# KiCad board 8851_HW-U1-VCU118_REV2-0_071417.kicad_pcb (continued)
## Routing (per net, layer and track width the routed paths; a pad name or vN(x,y) marks a point on that pad's centre or on a via; arc(x,y) is an arc through that point) (continued)
  14_SIG4 w0.106: 77.94,112.95 78.07,112.82 v2(78.07,112.37)
  14_SIG4 w0.138: 92.9,61.84 91.12,61.84 90.26,60.97 85.5,60.97 84.66,61.81 81.21,61.81 80.67,62.36 80.67,64.92 79.74,65.85 71.67,65.85 70.47,67.05 70.47,69.53 69.9,70.1 67.22,70.1 66.65,70.67 66.65,88.27 65.28,89.65 65.28,95.72 64.72,96.27 64.72,100.38 64.12,100.97 64.12,104.54 64.46,104.87 67.9,104.87 69.73,106.7 70.44,106.7 70.62,106.52 70.62,103.94 70.92,103.64 71.51,103.64 71.85,103.99 71.85,106.4 72.05,106.6 73.49,106.6 73.99,107.1
RLD3_C3_72B_QK5_N: length 115.5
  TOP w0.142: v2(72.17,113.35) 72.66,113.85 ; v2(104.56,69.73) 105.06,69.24
  20_SIG7 w0.105: 76.75,122.85 76.75,121.76 76.69,121.71 76.69,119.91 76.43,119.65 74.51,119.65 74.35,119.49 74.35,115.51 74.1,115.26 74.1,115.11 74.25,114.96 74.25,114.81 74.1,114.67 73.95,114.67 73.8,114.82 73.65,114.82 73.38,114.54 72.99,114.54 72.88,114.44 72.88,114.09 72.78,113.99 72.57,113.99 72.46,114.09 72.46,114.44 72.36,114.54 72.01,114.54 71.78,114.32 71.78,113.36 71.89,113.26 72.07,113.26 v2(72.17,113.35) ; v2(104.56,69.73) 104.56,69.31 104.62,69.25 104.79,69.25 104.96,69.42 104.96,71 104.85,71.1 97.45,71.1 97.08,71.47 97.08,71.92 96.91,72.09 96.44,72.09 96.1,72.43 96.1,72.88 95.9,73.07 95.43,73.07 95.11,73.39 95.11,73.86 94.92,74.06 94.47,74.06 94.13,74.39 94.13,75.81 93.91,76.02 92.96,76.02 92.91,75.97 92.9,75.97
  20_SIG7 w0.138: 76.75,122.85 76.75,123.83 75.53,125.05 75.53,126.15 76.26,126.89 77.64,126.89 77.78,126.75 77.78,125.45 78.09,125.14 78.75,125.14 79.14,125.52 82.06,125.52 82.2,125.39 82.2,123.35 83.03,122.52 83.03,106.58 85.89,103.72 89.04,103.72 90.72,102.04 90.72,97.42 90.6,97.29 90.6,96.51 90.91,96.2 92.27,96.2 92.41,96.06 92.41,95.65 92.27,95.51 90.91,95.51 90.6,95.2 90.6,92.97 90.91,92.65 92.24,92.65 92.37,92.51 92.37,92.1 92.24,91.96 90.91,91.96 90.6,91.65 90.6,91.04 90.91,90.73 92.29,90.73 92.41,90.61 92.41,90.2 92.25,90.04 90.29,90.04 89.96,89.72 89.96,89.1 90.28,88.79 90.86,88.79 90.99,88.65 90.99,88.24 90.86,88.1 90.28,88.1 89.96,87.78 89.96,78.03 92.02,75.97 92.9,75.97
RLD3_C3_72B_QK5_P: length 115.6
  TOP w0.142: v2(104.56,68.74) 105.06,68.25 ; 71.68,112.86 v2(71.18,112.37)
  20_SIG7 w0.105: v2(104.56,68.74) 105.16,69.34 105.16,71.08 104.93,71.3 97.53,71.3 97.28,71.55 97.28,72 97,72.29 96.52,72.29 96.3,72.51 96.3,72.96 95.99,73.27 95.51,73.27 95.31,73.47 95.31,73.95 95,74.26 94.55,74.26 94.33,74.48 94.33,75.89 94,76.22 92.95,76.22 92.9,76.27 ; v2(71.18,112.37) 71.58,112.77 71.58,114.4 71.92,114.74 73.3,114.74 74.15,115.6 74.15,119.57 74.43,119.85 76.35,119.85 76.5,119.99 76.5,121.71 76.44,121.76 76.44,121.76 76.47,121.78 76.47,122.83 76.44,122.85
  20_SIG7 w0.138: 92.9,76.27 92.14,76.27 90.26,78.15 90.26,87.66 90.4,87.8 90.98,87.8 91.29,88.11 91.29,88.77 90.98,89.09 90.4,89.09 90.26,89.22 90.26,89.59 90.41,89.74 92.38,89.74 92.71,90.07 92.71,90.74 92.41,91.03 91.04,91.03 90.9,91.17 90.9,91.53 91.04,91.66 92.36,91.66 92.67,91.98 92.67,92.64 92.36,92.95 91.04,92.95 90.9,93.09 90.9,95.07 91.04,95.21 92.39,95.21 92.71,95.52 92.71,96.18 92.39,96.5 91.04,96.5 90.9,96.64 90.9,97.17 91.02,97.29 91.02,102.17 89.17,104.02 86.01,104.02 83.33,106.7 83.33,122.65 82.5,123.47 82.5,125.51 82.19,125.83 79.01,125.83 78.63,125.44 78.22,125.44 78.08,125.58 78.08,126.88 77.77,127.19 76.14,127.19 75.22,126.27 75.22,124.93 76.44,123.71 76.44,122.85
RLD3_C3_72B_QK6_N: length 111.3
  TOP w0.142: 76.6,115.81 v2(77.09,116.31) ; 99.15,67.27 v2(98.66,67.76)
  18_SIG6 w0.105: v2(98.66,67.76) 98.41,68.01 98.41,68.19 98.52,68.3 99.01,68.3 99.11,68.2 99.11,67.56 98.92,67.36 93.41,67.36 93.15,67.1 92.98,67.1 92.93,67.15 92.9,67.15 ; v2(77.09,116.31) 77.21,116.31 77.32,116.41 77.32,116.6 77.22,116.7 76.92,116.7 76.7,116.47 76.7,115.94 76.47,115.71 75.85,115.71 75.71,115.58 75.71,107.18 75.76,107.13 75.76,107.1
  18_SIG6 w0.138: 75.76,107.1 75.76,106.67 75.23,106.14 72.53,106.14 72.15,106.52 72.15,107.03 71.95,107.24 71.54,107.24 71.33,107.03 71.33,106.52 70.95,106.14 70.27,106.14 69.91,106.5 69.91,107.03 69.71,107.24 69.3,107.24 69.09,107.03 69.09,106.52 68.69,106.11 67.92,106.11 67.77,105.96 67.77,105.78 67.95,105.6 69.66,105.6 70.03,105.24 70.03,104.62 69.7,104.29 68.73,104.29 68.48,104.05 68.48,103.85 69.23,103.1 70.95,103.1 71.43,102.62 71.43,99.82 71.59,99.66 72.09,99.66 72.29,99.86 72.29,99.98 72.67,100.36 73.33,100.36 74.01,99.69 80.41,99.69 84.02,96.07 84.02,92.95 84.87,92.11 84.87,90.26 85.07,90.05 85.94,90.05 86.32,89.67 86.32,88.81 85.94,88.43 85.07,88.43 84.87,88.22 84.87,87.61 85.07,87.4 85.94,87.4 86.32,87.02 86.32,86.16 85.94,85.78 85.07,85.78 84.87,85.57 84.87,84.96 85.07,84.75 85.94,84.75 86.32,84.37 86.32,83.51 85.94,83.13 85.07,83.13 84.87,82.92 84.87,82.31 85.07,82.1 85.94,82.1 86.32,81.72 86.32,80.86 85.94,80.48 85.07,80.48 84.87,80.27 84.87,79.66 85.07,79.45 85.94,79.45 86.32,79.07 86.32,78.21 85.94,77.83 84.77,77.83 84.56,77.62 84.56,76.94 84.77,76.74 85.95,76.74 86.33,76.36 86.33,75.7 85.95,75.32 85.07,75.32 84.87,75.11 84.87,73.59 85.19,73.26 85.56,73.26 86.31,74.01 86.84,74.01 87.31,73.54 87.31,73 87.13,72.82 87.13,72.53 87.42,72.24 87.71,72.24 87.89,72.42 88.43,72.42 88.89,71.96 88.89,71.42 88.71,71.24 88.71,70.95 89,70.66 89.29,70.66 89.47,70.84 90.01,70.84 90.48,70.37 90.48,69.83 90.3,69.65 90.3,69.36 90.59,69.07 90.88,69.07 91.06,69.25 91.6,69.25 92.06,68.79 92.06,68.25 91.88,68.07 91.88,67.62 92.35,67.15 92.9,67.15
RLD3_C3_72B_QK6_P: length 112.2
  TOP w0.142: 100.13,67.27 v2(99.64,67.76) ; 77.58,116.8 v2(78.07,117.29)
  TOP w0.375: v2(119.33,81.54) U1.G26
  18_SIG6 w0.105: 92.9,66.85 92.93,66.85 92.98,66.9 93.23,66.9 93.49,67.16 99.01,67.16 99.31,67.47 99.31,67.6 99.47,67.76 v2(99.64,67.76) ; v2(78.07,117.29) 77.79,117.29 77.39,116.9 76.84,116.9 76.5,116.56 76.5,116.02 76.39,115.91 75.77,115.91 75.51,115.66 75.51,107.18 75.46,107.13 75.46,107.1 ; 68.79,107.2 68.79,107.16
  18_SIG6 w0.138: 68.79,107.2 69.16,107.57 69.84,107.57 70.21,107.2 70.21,106.62 70.4,106.44 70.83,106.44 71.03,106.64 71.03,107.2 71.4,107.57 72.08,107.57 72.45,107.2 72.45,106.64 72.66,106.44 75.1,106.44 75.46,106.8 75.46,107.1 ; 92.9,66.85 92.23,66.85 91.58,67.5 91.58,68.19 91.76,68.37 91.76,68.66 91.47,68.95 91.18,68.95 91,68.77 90.46,68.77 90,69.24 90,69.78 90.18,69.96 90.18,70.25 89.89,70.54 89.6,70.54 89.42,70.36 88.88,70.36 88.41,70.82 88.41,71.36 88.59,71.54 88.59,71.83 88.3,72.12 88.01,72.12 87.83,71.94 87.3,71.94 86.83,72.41 86.83,72.95 87.01,73.13 87.01,73.42 86.72,73.71 86.43,73.71 85.69,72.96 85.07,72.96 84.57,73.46 84.57,75.24 84.95,75.62 85.82,75.62 86.03,75.82 86.03,76.23 85.82,76.44 84.64,76.44 84.26,76.82 84.26,77.75 84.64,78.13 85.82,78.13 86.02,78.33 86.02,78.95 85.82,79.15 84.95,79.15 84.57,79.54 84.57,80.4 84.95,80.78 85.82,80.78 86.02,80.98 86.02,81.6 85.82,81.8 84.95,81.8 84.57,82.19 84.57,83.05 84.95,83.43 85.82,83.43 86.02,83.63 86.02,84.25 85.82,84.45 84.95,84.45 84.57,84.84 84.57,85.7 84.95,86.08 85.82,86.08 86.02,86.28 86.02,86.9 85.82,87.1 84.95,87.1 84.57,87.49 84.57,88.35 84.95,88.73 85.82,88.73 86.02,88.93 86.02,89.55 85.82,89.75 84.95,89.75 84.57,90.14 84.57,91.98 83.72,92.83 83.72,95.95 80.28,99.39 73.88,99.39 73.21,100.06 72.8,100.06 72.59,99.86 72.59,99.74 72.21,99.36 71.47,99.36 71.13,99.69 71.13,102.49 70.82,102.8 69.11,102.8 68.18,103.73 68.18,104.17 68.6,104.59 69.58,104.59 69.73,104.74 69.73,105.11 69.54,105.3 67.82,105.3 67.47,105.66 67.47,106.09 67.79,106.41 68.56,106.41 68.79,106.64 68.79,107.16
RLD3_C3_72B_QK7_N: length 110.7
  TOP w0.142: v2(95.71,69.73) 96.2,69.24 ; v2(72.17,116.31) 72.66,115.81
  TOP w0.375: U1.C28 v2(121.3,85.48)
  16_SIG5 w0.105: 74.2,115.86 73.78,115.86 73.68,115.75 73.68,115.54 73.78,115.43 74.2,115.43 ; 92.9,72.6 92.92,72.58 92.99,72.58 93.48,72.09 93.95,72.09 94.11,71.93 94.11,71.46 94.47,71.1 95.87,71.1 96.1,70.88 96.1,70.12 v2(95.71,69.73) ; v2(72.17,116.31) 71.69,116.31 71.57,116.43 71.57,116.61 71.65,116.7 73.59,116.7 73.61,116.68 73.88,116.68 74.31,116.25 74.31,115.96 ; 67.83,108.17 67.84,108.15
  16_SIG5 w0.106: 74.2,115.43 74.31,115.33 74.31,107.88 73.76,107.33 73.72,107.33 73.7,107.31 ; 74.2,115.86 74.31,115.96
  16_SIG5 w0.138: 67.83,108.17 67.57,108.42 66.97,108.42 66.33,107.77 65.85,107.77 65.47,108.15 65.47,108.98 65.82,109.32 66.29,109.32 66.6,109.63 66.6,110.43 66.29,110.75 65.82,110.75 65.68,110.88 65.68,112.44 65.1,113.02 64.1,113.02 63.58,112.5 63.58,110.58 64.05,110.1 64.05,107.75 66.32,105.48 68.92,105.48 69.21,105.76 70.36,105.76 71.48,104.65 72.33,104.65 72.64,104.96 72.64,105.61 72.78,105.75 73.33,105.75 73.46,105.61 73.46,104.96 73.78,104.65 74.37,104.65 74.68,104.96 74.68,105.99 74.82,106.12 75.37,106.12 75.51,105.99 75.51,104.96 75.82,104.65 77.05,104.65 77.72,105.33 78.01,105.33 78.15,105.19 78.15,103.4 78.6,102.95 79.63,102.95 80.01,103.33 80.01,104.5 80.19,104.69 80.81,104.69 81.04,104.45 81.04,103.33 81.42,102.95 82.03,102.95 82.35,102.63 82.35,101.95 85.1,99.2 85.1,98.52 84.58,97.99 84.58,93.03 87.03,90.58 87.03,78.01 92.14,72.9 92.6,72.9 92.9,72.6 ; 67.84,108.15 67.84,107.06 67.97,106.93 70.18,106.93 70.31,107.05 70.31,107.66 70.62,107.97 71.42,107.97 71.73,107.66 71.73,107.05 71.85,106.93 73.31,106.93 73.7,107.31
RLD3_C3_72B_QK7_P: length 109.9
  TOP w0.142: v2(96.69,68.74) 97.18,68.25 ; 71.68,116.8 v2(71.18,117.29)
  16_SIG5 w0.105: v2(96.69,68.74) 96.3,69.13 96.3,70.96 95.96,71.3 94.55,71.3 94.31,71.54 94.31,72.01 94.03,72.29 93.57,72.29 93.13,72.72 93.13,72.79 ; 74.55,107.78 74.55,116.35 73.99,116.92 73.61,116.92 73.59,116.9 71.57,116.9 v2(71.18,117.29)
  16_SIG5 w0.106: 73.91,107.1 73.93,107.12 73.93,107.16 74.55,107.78
  16_SIG5 w0.138: 73.91,107.1 73.44,106.63 71.73,106.63 71.43,106.93 71.43,107.54 71.29,107.67 70.74,107.67 70.61,107.54 70.61,106.93 70.31,106.63 67.85,106.63 67.54,106.94 67.54,108.03 67.44,108.12 67.1,108.12 66.45,107.47 65.73,107.47 65.17,108.03 65.17,109.1 65.7,109.62 66.16,109.62 66.3,109.76 66.3,110.31 66.16,110.45 65.7,110.45 65.38,110.76 65.38,112.32 64.97,112.72 64.22,112.72 63.88,112.38 63.88,110.7 64.35,110.23 64.35,107.87 66.44,105.78 68.8,105.78 69.08,106.06 70.48,106.06 71.6,104.95 72.2,104.95 72.34,105.09 72.34,105.74 72.65,106.05 73.45,106.05 73.76,105.74 73.76,105.09 73.9,104.95 74.24,104.95 74.38,105.09 74.38,106.11 74.69,106.42 75.49,106.42 75.81,106.11 75.81,105.09 75.94,104.95 76.92,104.95 77.6,105.62 78.14,105.62 78.45,105.31 78.45,103.52 78.72,103.25 79.51,103.25 79.71,103.45 79.71,104.63 80.07,104.98 80.93,104.98 81.34,104.58 81.34,103.45 81.54,103.25 82.15,103.25 82.65,102.75 82.65,102.07 85.4,99.32 85.4,98.39 84.88,97.87 84.88,93.16 87.33,90.71 87.33,78.14 92.26,73.2 92.72,73.2 93.13,72.79
RLD3_C3_72B_QVLD0: length 140.9
  TOP w0.15: v2(99.64,78.59) 100.13,78.09 ; U141.J12 v2(97.67,112.52)
  20_SIG7 w0.087: 100.5,112.96 99.86,112.96 99.8,113.02 98.16,113.02 v2(97.67,112.52) ; v2(99.64,78.59) 99.64,78.87 100.13,79.37 100.13,79.45 100.13,80.77 99.86,81.05 99.34,81.05 99.15,81.24 99.15,82.32 99.15,82.73 99.44,83.01 99.85,83.01 100.13,83.3 100.13,83.71 100.42,84 100.83,84 101.12,84.29 101.12,87.65
  20_SIG7 w0.138: 100.5,112.96 101.9,112.96 102.16,113.22 103.04,113.22 104.4,114.59 104.4,116.33 106.28,118.21 106.28,127.16 106.83,127.71 108.09,127.71 108.72,127.08 108.72,117.26 106.93,115.46 106.93,112.69 106.74,112.5 105.11,112.5 104.73,112.12 104.73,111.68 104.87,111.54 105.49,111.54 105.96,111.06 106.2,111.06 106.29,111.15 106.29,111.63 106.51,111.84 106.9,111.84 107,111.74 107,111.2 107.16,111.04 107.47,111.04 107.79,111.36 110.68,111.36 110.84,111.2 110.84,108.97 111.08,108.73 112.64,108.73 112.91,108.47 112.91,108.1 112.73,107.93 109.47,107.93 109.21,107.67 109.21,107.39 109.44,107.16 112.93,107.16 113.13,106.95 113.13,106.64 112.87,106.38 107.1,106.38 106.93,106.21 106.93,105.41 107.13,105.21 112.84,105.21 113.03,105.02 113.03,104.69 112.8,104.45 108.32,104.45 108.06,104.19 108.06,103.81 108.24,103.63 112.93,103.63 113.16,103.41 113.16,103.07 112.96,102.86 109.66,102.86 109.45,102.66 109.45,102.29 109.6,102.14 112.11,102.14 112.48,101.78 112.48,101.34 111.75,100.62 111.75,99.72 111.57,99.54 110.98,99.54 110.8,99.72 110.8,100.98 110.38,101.4 109.45,101.4 109.23,101.18 109.23,100.23 110.06,99.39 110.06,98.64 109.52,98.09 109.52,97.37 110.28,96.62 110.28,95.63 109.9,95.25 104.07,95.25 103.2,96.12 102.22,96.12 101.66,95.56 101.66,94.5 101.24,94.08 101.24,89.14 101.07,88.97 100.13,88.97 99.96,88.8 99.96,88.46 100.13,88.29 101.07,88.29 101.24,88.12 101.24,87.76 101.12,87.65
RLD3_C3_72B_QVLD1: length 138.8
  TOP w0.15: v2(93.74,79.57) 94.23,79.08 ; U141.J2 v2(86.84,112.52)
  16_SIG5 w0.087: v2(93.74,79.57) 94.23,80.06 94.23,81.82 94.02,82.03 93.52,82.03 93.2,82.35 93.2,87.75 94.23,88.77 94.23,89.52 ; v2(86.84,112.52) 86.57,112.52 86.09,113 85.62,113 85.45,113.17 ; 82.28,111.86 81.78,111.86 81.5,112.14 81.5,116.52 81.21,116.81 80.83,116.81 80.55,117.09 80.55,117.46 80.21,117.8 79.84,117.8 79.53,118.11 79.53,118.47 79.23,118.78 78.86,118.78 78.55,119.09 78.55,119.46 78.24,119.77 77.88,119.77 77.58,120.07 77.58,121.72
  16_SIG5 w0.138: 85.45,113.17 85.33,113.3 85.33,114.26 84.34,115.25 84.34,115.7 84.45,115.81 84.45,117.59 84.41,117.63 84.41,117.66 84.1,117.96 83.74,117.96 83.36,118.34 83.36,120.39 83.72,120.75 83.72,121.17 83.07,121.82 82.13,121.82 81.92,122.03 81.92,122.67 82.15,122.89 84.12,122.89 84.35,123.12 84.35,123.44 84.12,123.67 81.93,123.67 81.74,123.85 81.74,124.17 82.01,124.44 84.12,124.44 84.35,124.67 84.35,124.99 84.12,125.21 83.18,125.21 81.97,126.41 81.97,130 81.84,130.14 80.54,130.14 79.94,130.73 79.14,130.73 78.13,131.74 78.13,134.59 77.98,134.74 77.52,134.74 77.38,134.61 77.38,133.15 77.25,133.01 76.83,133.01 76.7,133.15 76.7,134.61 76.56,134.74 68.92,134.74 68.72,134.55 68.72,134.1 68.88,133.95 70.62,133.95 70.72,133.85 70.72,133.15 70.62,133.05 70.12,133.05 70,132.93 70,131.45 70.38,131.08 70.84,131.08 72.5,129.42 73.66,129.42 75.1,127.97 77.15,127.97 77.58,127.55 77.58,127.17 77.44,127.04 77,127.04 76.87,126.9 76.87,126.62 77,126.49 77.44,126.49 77.58,126.35 77.58,125.16 77.44,125.02 77.17,125.02 77.03,124.88 77.03,124.61 77.17,124.47 77.44,124.47 77.58,124.33 77.58,121.72 ; 82.28,111.86 82.37,111.86 82.65,111.58 82.65,111.05 83.63,110.07 84.18,110.07 84.9,109.35 84.9,108.19 85.81,107.28 86.94,107.28 87.35,106.88 88.48,106.88 89.41,105.94 89.41,105.41 90.19,104.63 90.74,104.63 90.99,104.89 91.41,104.89 91.64,104.66 91.64,104.44 91.29,104.08 91.29,103.76 91.51,103.54 91.83,103.54 92.37,104.08 92.69,104.08 92.92,103.85 92.92,103.53 92.38,102.99 92.38,102.67 92.6,102.45 92.92,102.45 94.37,103.89 94.69,103.89 94.91,103.66 94.91,103.34 93.47,101.9 93.47,101.58 93.7,101.35 94.02,101.35 94.7,102.03 95.02,102.03 95.24,101.81 95.24,101.49 94.56,100.81 94.56,100.55 94.75,100.36 94.75,99.55 94.52,99.32 94.36,99.32 94.14,99.1 94.14,98.78 94.36,98.55 94.52,98.55 94.75,98.32 94.75,96.8 95.91,95.64 95.91,92.11 94.23,90.43 94.23,89.52
RLD3_C3_72B_QVLD2: length 116.5
  TOP w0.15: v2(72.17,109.41) 72.66,109.91 ; 102.1,68.25 v2(101.61,68.74)
  14_SIG4 w0.087: v2(72.17,109.41) 72.37,109.41 72.45,109.49 72.45,109.71 72.27,109.89 70.99,109.89 70.7,109.6 70.7,108.16 70.92,107.94 73.68,107.94 73.99,108.25 73.99,109.06 73.87,109.18 73.77,109.18 73.65,109.3 73.65,109.55 73.77,109.67 73.87,109.67 73.99,109.79 73.99,110.04 73.87,110.16 73.77,110.16 73.65,110.28 73.65,110.53 73.77,110.65 73.87,110.65 73.99,110.77 73.99,112.2 74.12,112.32 74.2,112.32 74.32,112.44 74.32,112.69 74.2,112.81 74.12,112.81 73.99,112.93 73.99,113.22 74.61,113.84 78.86,113.84 79.2,114.17 82.28,114.17 ; v2(101.61,68.74) 101.93,68.74 102.41,69.23 102.87,69.23 103.08,69.44 103.08,69.96 103.35,70.23 103.8,70.23 104.07,70.5 104.07,70.94 104.32,71.19 106.79,71.19 107.04,71.45 107.04,71.99 107.23,72.17 107.85,72.17 107.99,72.32 107.99,72.87 107.74,73.13 107.73,73.13 107.71,73.15 107.29,73.15 107.03,73.41 107.03,73.84 106.72,74.15 106.34,74.15 106.05,74.43 106.05,75.85 105.75,76.15 105.31,76.15 105.06,75.9 105.06,73.46 104.78,73.18 104.23,73.18 104.05,73.01 104.05,71.5 103.77,71.22 103.38,71.22 103.07,71.54 103.07,73.06 102.94,73.19 102.34,73.19 102.08,72.93 102.08,72.88 102.08,72.88 102.08,71.5 102.08,71.5 102.08,70.91 102.08,70.91 102.08,70.52 102.08,70.51 102.08,69.93 102.08,69.92 102.08,69.53 102.08,69.53 102.08,69.51 101.82,69.26 101.81,69.26 101.36,69.26 101.14,69.47 101.14,70.91 100.84,71.2 93.21,71.2 92.9,70.89
  14_SIG4 w0.138: 82.28,114.17 82.95,114.17 83.35,113.77 83.35,107.62 83.88,107.1 83.88,106.83 89.58,101.12 89.58,99.77 89.97,99.38 89.97,98.22 89.62,97.88 89.62,97.21 91.91,94.92 92.25,94.92 92.97,94.2 92.97,93.46 88.9,89.38 88.9,71.3 89.95,70.25 92.25,70.25 92.9,70.89
RLD3_C3_72B_QVLD3: length 113
  TOP w0.15: 99.15,66.28 v2(98.66,66.77) ; v2(72.17,120.24) 72.66,119.75
  18_SIG6 w0.087: 92.9,65.69 93.14,65.69 93.53,65.3 97.88,65.3 98.17,65.59 98.17,66.02 98.66,66.51 v2(98.66,66.77) ; v2(72.17,120.24) 72.65,119.76 72.65,119.05 72.94,118.77 77.32,118.77 77.58,118.52 77.58,118 77.36,117.78 76.85,117.78 76.6,117.52 76.6,117.05 76.35,116.8 74.94,116.8 74.6,116.47 74.6,108.74 74.36,108.49 73.85,108.49 73.68,108.66 73.68,109.61 73.39,109.91 72.91,109.91 72.66,109.66 72.66,108.19 72.4,107.94 71.92,107.94 71.68,108.18 71.68,110.61 71.4,110.89 70.95,110.89 70.69,110.64 70.69,110.22 70.71,110.2 70.71,108.74 70.69,108.72 70.69,108.22 70.41,107.94 69.83,107.94 69.71,108.06 69.71,109.6 69.71,109.6 69.71,110.62 69.43,110.89 69,110.89 68.72,110.61 68.72,108.25 68.43,107.95 68.03,107.95 67.94,108.05 67.83,108.05
  18_SIG6 w0.138: 92.9,65.69 92.66,65.69 86.46,71.89 83.63,71.89 83.45,72.07 83.45,92.03 82.95,92.52 82.95,95.72 80.6,98.07 70.98,98.07 70.74,98.3 70.74,99.06 70.38,99.42 70.38,100.73 70.22,100.9 69.64,100.9 69.47,100.73 69.47,99.83 69.27,99.63 68.68,99.63 68.09,100.22 68.09,100.55 68.71,101.17 68.71,102.34 66.45,104.61 66.45,107.68 66.81,108.05 67.83,108.05
RLD3_C3_72B_REF_B: length 170
  TOP w0.15: 75.61,113.85 v2(76.1,113.35) ; 104.07,71.2 v2(103.58,71.7) ; U141.F8 v2(93.73,116.46)
  TOP w0.275: v3(94,123.05) 93.9,123.15 93.9,123.69
  03_SIG1 w0.17: v2(93.73,116.46) 93.44,116.46 91.96,117.93 91.57,117.93 91.26,118.25 91.26,118.63 90.97,118.91 90.54,118.91 90.28,119.16 90.28,119.67 90.06,119.89 89.59,119.89 89.3,120.18 89.3,120.63 89.05,120.88 88.6,120.88 88.31,121.17 88.31,121.59 87.67,122.22 86.08,122.22 86.03,122.17 85.55,122.17 85.22,122.5 82.25,122.5 81.97,122.77 72,122.77 70.69,121.47 70.69,112.21 71.02,111.88 73.9,111.88 74.88,112.85 75.38,112.85 75.88,113.35 v2(76.1,113.35)
  05_SIG2 w0.17: v2(103.58,71.7) 104.07,71.2 107.82,71.2 108.03,70.99 108.03,69.45 108.22,69.25 109.83,69.25 109.98,69.4 109.98,77.9 109.74,78.14 109.16,78.14 108.99,78.31 108.99,80.86 108.81,81.05 108.23,81.05 108.01,81.27 108.01,82.77 107.76,83.01 98.35,83.01 98.16,83.2 98.16,88.08 ; v2(76.1,113.35) 75.73,113.35 75.61,113.47 75.61,118.49 75.89,118.77 77.48,118.77 77.58,118.87 77.58,119.51 77.83,119.75 78.41,119.75 78.57,119.91 78.57,120.45 78.85,120.74 81.13,120.74 81.3,120.91 81.3,121.18 81.18,121.3 80.79,121.3 80.7,121.38 80.7,121.7 80.87,121.86 81.7,121.86 81.78,121.78 81.78,121.5 81.87,121.42 82.27,121.42 82.36,121.51 82.36,121.78 82.45,121.86 83.39,121.86 83.52,121.73 83.52,121.35 83.43,121.25 83.03,121.25 82.86,121.08 82.86,120.72 82.98,120.6 83.93,120.6 84.04,120.7 84.04,121.3 84.12,121.39 84.46,121.39 84.58,121.27 84.58,120.04 84.72,119.9 84.97,119.9 85.14,120.07 85.14,121.31 85.31,121.48 85.71,121.48 85.83,121.36 85.83,121.04 85.98,120.89 92.88,120.89 93,120.77 93,120.45 92.83,120.28 92.42,120.28 92.25,120.11 92.25,119.77 92.42,119.6 92.83,119.6 93,119.43 93,115.47 93.64,114.84 95.59,114.84 95.76,114.66 95.76,114.26 95.58,114.08 95.38,114.08 95.2,113.9 95.2,113.25 95.44,113.01 98.91,113.01 99.14,112.78 99.14,112.24 98.93,112.03 98.35,112.03 98.16,111.84 98.16,111.22 98.33,111.05 98.98,111.05 99.15,110.87 99.15,110.3 98.91,110.06 98.31,110.06 98.16,109.91 98.16,109.24 98.32,109.08 99,109.08 99.14,108.93 99.14,106.75
  05_SIG2 w0.287: 98.16,88.08 98.16,88.73 100.22,90.79 100.22,104.77 99.14,105.86 99.14,106.75
  07_SIG3 w0.258: v3(94,123.05) 94.22,122.83 94.22,116.96 v2(93.73,116.46)
  BOTTOM w0.375: 94.06,123.87 95.34,123.87 v3(95.55,124.08)
RLD3_C3_72B_RESET_B: length 156.1
  TOP w0.15: v2(103.58,70.71) 104.07,70.22 ; 80.54,108.92 v2(81.03,108.43) 81.53,108.93 81.53,113.75 81.67,113.9 82.25,113.9 82.4,114.05 82.4,114.65 82.25,114.8 81.67,114.8 81.53,114.95 81.53,121.38 81,121.9 79.3,121.9 79.05,122.15 79.05,122.5 79.25,122.7 82.03,122.7 82.18,122.55 82.18,121.87 82.35,121.7 82.92,121.7 83.1,121.88 83.1,122.26 83.32,122.47 84.67,122.47 84.92,122.22 84.92,121.1 85.17,120.85 85.53,120.85 85.75,121.08 85.75,121.72 85.97,121.95 98.08,121.95 v2(98.65,121.38) U141.A13
  16_SIG5 w0.087: v2(103.58,70.71) 103.09,70.22 103.09,66.76 103.09,66.57 103.38,66.28 103.57,66.28 108.7,66.28 108.99,65.99 108.99,64.8 109.24,64.55 109.75,64.55 109.98,64.32 109.98,63.5 109.8,63.33 103.38,63.33 103.09,63.04 103.09,62.62 103.36,62.35 109.69,62.35 109.98,62.06 109.98,61.62 109.72,61.36 100.37,61.36 100.13,61.59 100.13,64.32 100.3,64.49 108.42,64.49 108.52,64.59 108.52,65.1 108.41,65.21 100.43,65.21 100.13,65.51 100.13,66.98 99.85,67.27 99.44,67.27 99.43,67.26 99.15,67.54 99.15,70.92 98.86,71.2 98.45,71.2 98.17,71.49 98.17,71.98 97.96,72.19 97.47,72.19 97.18,72.48 97.18,72.92 96.93,73.17 96.49,73.17 96.2,73.46 96.2,73.9 95.94,74.16 95.5,74.16 95.21,74.44 95.21,74.89 94.96,75.14 94.52,75.14 94.23,75.43 94.23,75.9 94,76.12 93.5,76.12 92.9,76.72
  16_SIG5 w0.138: 81.72,107.1 81.03,107.8 v2(81.03,108.43)
  16_SIG5 w0.155: 81.72,107.1 86.15,102.67 86.75,102.67 88.29,101.13 88.29,98.07 88.44,97.93 88.44,97.35 90.6,95.19 90.6,92.65 89.72,91.77 89.72,79.9 92.9,76.72
RLD3_C3_72B_TCK: length 85.2
  TOP w0.15: U141.N2 v2(86.84,108.58) ; 68.72,119.75 v2(68.23,120.24) 67.76,120.72 67.76,121.6 70.08,123.92 91.05,123.92 92.6,125.48 94.55,125.48 95.22,126.15 95.22,127.83 95.85,128.45 97.43,128.45 J105.5 99.99,125.93 99.99,125.04 104,121.04 104,111.81 103.45,111.26 103.45,105.23 101.44,103.22 91.28,103.22 v3(88.77,105.73)
  20_SIG7 w0.087: v3(88.77,105.73) 86.84,107.67 v2(86.84,108.58)
  BOTTOM w0.15: 99.06,124.72 99.06,126.84 J105.5
RLD3_C3_72B_TDI: length 23.4
  TOP w0.15: U141.N10 v2(95.7,108.58)
  07_SIG3 w0.17: J105.3 97.17,123.75 97.17,115.17 96.19,114.19 96.19,109.36 95.7,108.86 v2(95.7,108.58)
  BOTTOM w0.15: 94.06,124.85 94.06,126.84 J105.3
RLD3_C3_72B_TMS: length 71
  TOP w0.15: U141.N12 v2(97.67,108.59) ; v2(97.67,108.59) 97.35,108.27 97.35,107.4 98.53,106.21 98.53,105.15 98.25,104.86 94.14,104.86 93.76,105.24 93.76,105.79 91.44,108.11 87.28,108.11 86.72,107.55 80.95,107.55 80.57,107.93 73.43,107.93 73.42,107.92 67.9,107.92 67.76,108.07 67.76,108.66 68.23,109.13 v2(68.23,109.41) 68.72,109.91 ; v2(97.67,108.59) 98.14,108.11 98.85,108.11 99.13,108.39 99.13,110.73 99.43,111.03 102.76,111.03 103.1,111.37 103.1,111.4 103.17,111.48 103.17,120.97 102.37,121.78 99.52,121.78 98.85,122.45 98.85,124.58 J105.4
  BOTTOM w0.15: 96.56,124.72 96.56,126.84 J105.4
RLD3_C3_72B_WE_B: length 167.6
  TOP w0.15: U141.F6 v2(90.78,116.46) ; 75.61,115.81 v2(76.1,116.31) ; v2(102.6,70.71) 103.09,70.22
  TOP w0.237: v2(90.78,107.6) 90.78,106.94
  05_SIG2 w0.258: v2(90.78,116.46) 90.28,115.97 90.28,115.27 91.56,114 91.96,114 92.25,113.71 92.25,108.38 91.47,107.6 v2(90.78,107.6)
  07_SIG3 w0.17: 99.15,106.75 99.15,109.75 98.82,110.08 97.38,110.08 97.16,109.85 97.16,108.35 96.86,108.04 95.49,108.04 95.2,108.33 95.2,108.84 94.97,109.08 93.01,109.08 92.04,108.1 91.47,108.1 91.27,108.3 91.27,109.75 90.97,110.05 90.61,110.05 90.3,110.36 90.3,110.8 90.06,111.03 89.5,111.03 89.31,111.22 89.31,111.82 89.1,112.02 86.65,112.02 86.35,112.33 86.35,112.75 86.08,113.02 85.23,113.02 82.44,115.81 76.6,115.81 v2(76.1,116.31) ; v2(102.6,70.71) 103.06,71.17 105.77,71.17 106.01,70.94 106.01,68.51 106.28,68.24 115.73,68.24 115.9,68.07 115.9,66.65 116.18,66.37 116.49,66.37 116.93,66.81 116.93,76.56 116.33,77.15 107.29,77.15 107.08,77.37 107.08,84.81 106.87,85.01 96.4,85.01 96.21,85.2 96.21,88.87
  07_SIG3 w0.287: 99.15,106.75 99.15,104.59 97.23,102.67 97.23,99.64 95.68,98.09 95.68,97.27 96.21,96.74 96.21,88.87
  14_SIG4 w0.087: v2(76.1,116.31) 76.34,116.31 76.42,116.23 76.42,115.9 76.34,115.81 74.89,115.81 74.53,115.45 74.05,115.45 73.98,115.52 73.98,116.08 74.09,116.18 74.49,116.18 74.6,116.29 74.6,116.44 74.49,116.55 74.09,116.55 73.98,116.66 73.98,116.81 74.09,116.92 74.49,116.92 74.6,117.03 74.6,117.18 74.49,117.29 74.49,117.65 74.62,117.77 75.5,117.77 75.62,117.66 75.62,117.05 75.87,116.79 76.37,116.79 76.6,117.03 76.6,117.71 76.67,117.77 79.26,117.77 79.55,118.07 79.55,118.46 79.86,118.77 81.41,118.77 81.46,118.82 82.23,118.82 82.51,118.53 82.51,118.16 82.6,118.07 82.77,118.07 82.87,118.18 82.87,118.62 82.98,118.72 83.13,118.72 83.24,118.62 83.24,118.18 83.35,118.07 84.1,118.07 84.41,117.77 84.41,116.48 84.63,116.26 85.28,116.26 85.58,115.96 86.16,115.96 86.34,115.78 86.34,115.25 86.62,114.98 89.13,114.98 89.29,115.13 89.29,115.66 89.59,115.97 92.23,115.97 92.35,115.85 92.35,115.41 92.45,115.3 93.08,115.3 93.21,115.43 93.21,115.6 93.12,115.69 92.81,115.69 92.71,115.79 92.71,115.99 92.82,116.1 93.08,116.1 93.22,116.25 93.22,116.7 92.96,116.96 92.79,116.96 92.68,116.86 92.68,116.43 92.57,116.33 92.42,116.33 92.31,116.43 92.31,116.86 92.22,116.95 91.47,116.95 90.97,116.46 v2(90.78,116.46)
